# Altium PCB RFSOC_SAWG.PcbDoc (part 6 of 15) (continued)
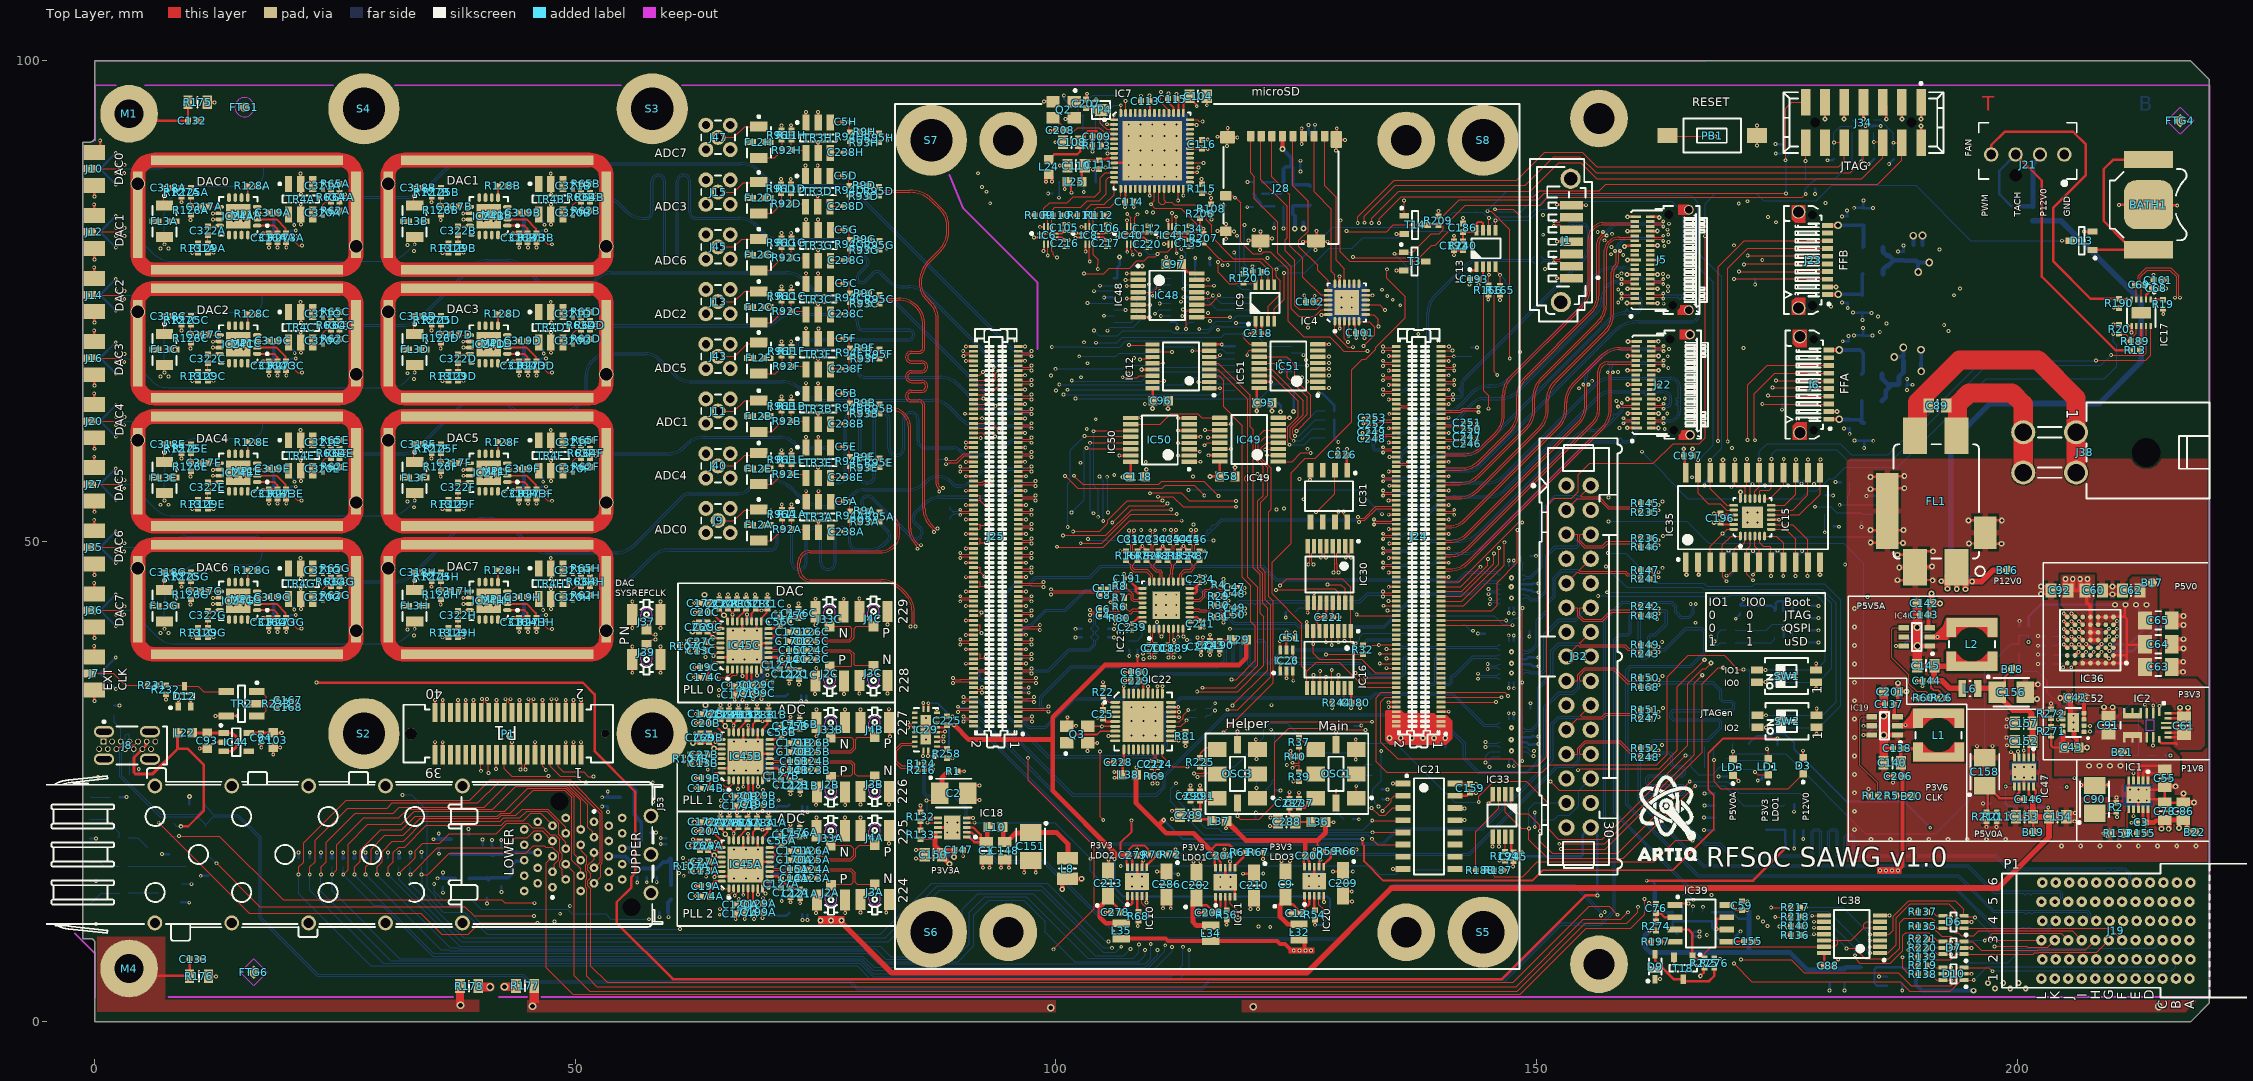
[diagram p0: Top Layer view]
## Nets (pads, with @x,y where several pads share a name; then routed paths per layer and width w, separated by ;. In a path a pad name is that pad's centre, name@x,y a point inside that pad or via, vN(x,y) a via of type N, cw(c..) or ccw(c..) an arc to the next point about the centre after c; other vN are vias at no path point) (continued)
B505_TX2_P: J22.B6 J24.80 | length 40.9
  Top Layer w0.093: v5(134.05,50.259) 134.05,50.312 134.15,50.412 134.96,50.412 135.1,50.272 J24.80@135.415,50.272 ; J22.B6@161.861,64.303 162.161,64.303 162.301,64.163 163.028,64.163 163.182,64.316 v5(163.236,64.316)
  Bottom Layer w0.093: v5(134.05,50.259) 134.104,50.259 134.258,50.412 135.32,50.412 ccw(c135.32,53.17) 137.27,51.22 139.831,53.781 cw(c141.627,51.985) 141.627,54.525 144.919,54.525 ccw(c144.919,57.283) 146.869,55.332 ; 146.869,55.333 156.368,64.832 cw(c157.86,63.34) 157.86,65.45 160.8,65.45 161.151,65.45 cw(c161.151,65.329) 161.273,65.33 161.273,65.308 ccw(c161.394,65.309) 161.396,65.188 ccw(c161.394,65.309) 161.516,65.31 161.516,65.326 cw(c161.637,65.327) 161.636,65.449 cw(c161.637,65.327) 161.759,65.329 161.759,65.313 ccw(c161.88,65.314) 161.882,65.192 ccw(c161.88,65.314) 162.002,65.315 162.002,65.327 cw(c162.123,65.329) 162.123,65.45 162.723,65.45 163.015,65.45 cw(c163.015,64.34) 163.307,65.411 cw(c163.015,64.34) 163.8,65.125 cw(c163.619,64.944) 163.875,64.944 163.875,64.466 cw(c163.534,64.466) 163.775,64.225 cw(c163.624,64.376) 163.624,64.163 163.444,64.163 163.291,64.316 v5(163.236,64.316)
B505_TX3_N: J22.B2 J24.88 | length 47.1
  Top Layer w0.093: v5(133.1,52.277) 133.154,52.277 133.321,52.111 134.938,52.111 135.1,52.272 J24.88@135.415,52.272 ; J22.B2@161.861,62.303 162.161,62.303 162.301,62.443 163.028,62.443 163.182,62.289 v5(163.236,62.289)
  Bottom Layer w0.093: v5(133.1,52.277) 133.154,52.277 133.308,52.124 135.248,52.124 ccw(c135.248,54.664) 137.044,52.867 139.571,55.395 cw(c141.521,53.445) 139.573,55.396 cw(c141.521,53.445) 141.521,56.202 144.8,56.202 ccw(c144.8,58.742) 146.596,56.946 156.002,66.352 cw(c157.735,64.618) 156.003,66.353 cw(c157.735,64.618) 157.735,67.07 163.925,67.07 cw(c163.925,66.005) 164.678,66.758 164.683,66.753 cw(c163.93,66) 164.995,66 164.995,63.575 cw(c163.93,63.575) 164.683,62.822 164.68,62.819 cw(c163.772,63.727) 163.772,62.443 163.444,62.443 163.291,62.289 v5(163.236,62.289)
B505_TX3_P: J22.B3 J24.86 | length 47.1
  Top Layer w0.093: v5(133.1,51.75) 133.183,51.75 133.324,51.891 134.942,51.891 134.957,51.876 135.311,51.876 J24.86@135.415,51.772 ; J22.B3@161.861,62.803 162.161,62.803 162.301,62.663 163.028,62.663 163.182,62.816 v5(163.236,62.816)
  Bottom Layer w0.093: v5(133.1,51.75) 133.154,51.75 133.308,51.904 135.249,51.904 ccw(c135.249,54.661) 137.199,52.711 ; 137.199,52.711 139.726,55.238 cw(c141.522,53.442) 141.522,55.982 144.801,55.982 ccw(c144.801,58.74) 146.751,56.79 156.093,66.132 cw(c157.827,64.398) 156.094,66.133 cw(c157.827,64.398) 157.827,66.85 163.921,66.85 cw(c163.921,65.996) 164.525,66.6 cw(c163.921,65.996) 164.772,66.064 cw(c163.921,65.996) 164.775,65.996 164.775,65.282 164.775,64.992 cw(c164.654,64.992) 164.654,64.871 164.615,64.871 ccw(c164.615,64.749) 164.494,64.749 ccw(c164.615,64.749) 164.615,64.628 164.654,64.628 cw(c164.654,64.506) 164.775,64.506 cw(c164.654,64.506) 164.654,64.385 164.615,64.385 ccw(c164.615,64.263) 164.494,64.263 ccw(c164.615,64.263) 164.615,64.142 164.654,64.142 cw(c164.654,64.02) 164.775,64.02 164.775,63.594 164.775,63.579 cw(c163.921,63.579) 164.525,62.975 cw(c163.771,63.729) 163.771,62.663 163.444,62.663 163.291,62.816 v5(163.236,62.816)
BGA0: D6.3 IC38.4 J19.C3 R217.2 | length 44.1
  Top Layer w0.127: R217.2@177.42,11.925 v1(178.046,11.925) ; v1(184.7,9.1) 185.7,9.1 IC38.4@185.725,9.125 186.725,9.125 187.127,9.527 187.127,11.002 188.725,12.6 193.575,12.6 194.457,11.718 194.457,11.093 194.637,10.914 195.497,10.914 195.564,10.846 v1(195.638,10.846)
  Bottom Layer w0.127: v1(178.046,11.925) 181.875,11.925 v1(184.7,9.1) ; v1(195.638,10.846) 197.128,9.356 197.128,9.197 198.675,7.65 214.288,7.65 J19.C3@215.138,8.5
BGA1: D6.1 IC38.1 J19.F3 R218.2 | length 41.8
  Top Layer w0.127: R218.2@177.42,10.958 v1(178.046,10.958) ; v1(184.7,7.175) IC38.1@185.725,7.175 186.6,7.175 187.45,8.025 187.45,10.825 188.9,12.275 192.875,12.275 193.55,11.6 193.55,10.075 193.875,9.75 D6.1@194.5,9.75 194.525,9.725 194.55,9.75 209.688,9.75 J19.F3@210.938,8.5
  Bottom Layer w0.127: v1(178.046,10.958) 178.613,11.525 180.35,11.525 v1(184.7,7.175)
BGA2: D6.6 IC38.11 J19.I3 R136.2 | length 36.4
  Top Layer w0.127: R136.2@177.42,9.025 v1(178.046,9.025) ; v1@178.925,9.125 IC38.11@179.925,9.125 ; v1(182.278,7.65) 183.1,7.65 184.2,6.55 186.65,6.55 187.775,7.675 187.775,10.3 188.25,10.775 191.15,10.775 191.425,10.5 191.425,10 191.675,9.75 D6.6@192.3,9.75 193.075,9.75 193.543,9.282 193.888,9.282 194.22,8.95 195.5,8.95 196.046,9.496 205.742,9.496 J19.I3@206.738,8.5
  Bottom Layer w0.127: v1(178.046,9.025) 178.701,9.025 178.801,9.125 180.802,9.125 v1(182.278,7.65)
  other v1: 178.875,9.125
BGA3: D7.4 IC38.8 J19.L3 R140.2 | length 32.6
  Top Layer w0.127: R140.2@177.42,9.992 v1(178.046,9.992) ; v1(178.7,11.05) 179.9,11.05 IC38.8@179.925,11.075 ; v1(183.146,6.931) 183.198,6.879 183.198,6.562 183.652,6.107 186.832,6.107 188.125,7.4 188.125,9.025 188.4,9.3 190.839,9.3 191.297,8.843 191.709,8.431 192.219,8.431 192.325,8.325 v1(193.125,8.325) ; v1(197.25,8.475) 197.263,8.488 202.526,8.488 J19.L3@202.538,8.5
  Mid-Layer 6 w0.127: v1(193.125,8.325) 195.65,8.325 195.886,8.089 196.864,8.089 v1(197.25,8.475)
  Bottom Layer w0.127: v1(178.046,9.992) 178.082,10.027 178.082,10.432 v1(178.7,11.05) ; v1@178.75,11.1 179.7,11.1 183.146,7.654 v1(183.146,6.931)
BP_I2C.SCL: D10.3 IC42.8 J19.B2 | length 88
  Top Layer w0.127: v1(171.3,6.475) 176.5,6.475 177.861,5.114 187.636,5.114 189,3.75 193.152,3.75 193.566,4.163 193.566,5.416 193.8,5.65 D10.3@194.5,5.65 197.074,5.65 v1(197.452,5.271)
  Mid-Layer 3 w0.127: v1(149.695,27.651) 150.525,26.821 150.525,25.2 151.875,23.85 151.875,22.15 152.525,21.5 153.65,21.5 154.3,20.85 154.3,12.55 156.4,10.45 158.075,10.45 159.675,8.85 164.4,8.85 167.2,6.05 169.45,6.05 169.875,6.475 v1(171.3,6.475)
  Bottom Layer w0.127: IC42.8@148.528,28.109 149.016,28.109 149.425,27.7 149.7,27.7 149.7,27.656 v1(149.695,27.651) ; v1(197.452,5.271) 197.482,5.301 216.101,5.301 216.5,5.7 216.5,6.362 J19.B2@216.638,6.5
BP_I2C.SDA: D10.1 IC42.7 J19.C2 | length 87.4
  Top Layer w0.127: v1(170.55,6.075) 172.425,4.2 187.85,4.2 188.85,3.2 193.075,3.2 194.225,4.35 D10.1@194.5,4.35 v1(195.5,4.35)
  Mid-Layer 3 w0.127: v1(149.75,28.175) 149.199,28.175 148.975,27.951 148.975,27.45 149.8,26.625 149.8,25.125 151.3,23.625 151.3,20.5 153.25,18.55 153.25,11.95 155.6,9.6 158.1,9.6 161.2,6.5 165.15,6.5 165.997,5.653 170.128,5.653 v1(170.55,6.075)
  Bottom Layer w0.127: IC42.7@148.528,28.609 148.916,28.609 149.375,28.15 149.725,28.15 v1(149.75,28.175) ; v1(195.5,4.35) 196.91,5.76 214.498,5.76 J19.C2@215.238,6.5
BP_IO.LVDS_N0: J19.E3 R235.1 | length 94.2
  Top Layer w0.093: R235.1@161.795,53.025 162.038,53.268 162.038,53.336 162.093,53.39 162.492,53.39 162.646,53.236 v1(162.7,53.236)
  Mid-Layer 3 w0.08: v1(162.7,53.236) 162.653,53.236 162.493,53.396 161.914,53.396 161.696,53.179 161.557,53.039 161.557,52.94 161.564,52.933 161.564,52.834 161.465,52.735 161.366,52.735 161.359,52.742 161.26,52.742 161.034,52.516 158.532,50.014 158.532,25.861 170.343,14.05 180.75,14.05 182.375,12.425 195.25,12.425 200.075,7.6 212.888,7.6 212.935,7.647 212.935,7.903 J19.E3@212.338,8.5
BP_IO.LVDS_N1: J19.B3 R236.1 | length 93.7
  Top Layer w0.093: R236.1@161.795,50.325 162.038,50.081 162.038,50.014 162.093,49.96 162.492,49.96 162.646,50.113 v1(162.7,50.113)
  Mid-Layer 3 w0.08: v1(162.7,50.113) 162.653,50.113 162.493,49.953 160.646,49.953 160.036,49.953 159.312,49.23 159.312,26.488 170.657,15.143 180.832,15.143 182.557,13.418 195.932,13.418 200,9.35 216.95,9.35 217.135,9.165 217.135,8.87 216.764,8.5 J19.B3@216.538,8.5
BP_IO.LVDS_N2: J19.C4 R241.1 | length 86.5
  Top Layer w0.093: R241.1@161.795,46.05 162.038,46.293 162.038,46.361 162.093,46.415 162.492,46.415 162.646,46.261 v1(162.7,46.261)
  Mid-Layer 3 w0.08: v1(162.7,46.261) 162.747,46.261 162.907,46.421 163.729,46.421 164.325,45.825 164.325,45.5 164.325,45.16 164.255,45.09 164.245,45.09 164.175,45.02 164.175,44.88 164.245,44.81 164.255,44.81 164.325,44.74 164.325,44.6 164.255,44.53 164.245,44.53 164.175,44.46 164.175,44.32 164.245,44.25 164.255,44.25 164.325,44.18 164.325,44.14 164.325,42.243 160.7,38.618 160.7,26.9 167.182,20.418 167.664,20.418 171.682,16.4 181.632,16.4 183.507,14.525 196.45,14.525 199.675,11.3 215.675,11.3 215.835,11.14 215.835,10.851 215.483,10.5 J19.C4@215.238,10.5
BP_IO.LVDS_N3: J19.L4 R242.1 | length 87.2
  Top Layer w0.093: R242.1@161.795,43.225 162.038,42.981 162.038,42.914 162.093,42.86 162.492,42.86 162.646,43.013 v1(162.7,43.013)
  Bottom Layer w0.093: v1(162.7,43.013) 162.754,43.013 162.908,42.86 163.462,42.86 163.645,42.677 163.645,41.384 162.416,40.155 162.273,40.155 161.978,40.155 161.793,39.969 161.793,38.112 161.478,37.797 160.924,37.797 160.61,38.112 160.61,42.174 160.424,42.359 160.052,42.359 159.867,42.174 159.867,40.47 159.552,40.155 159.35,40.155 158.73,40.155 158.25,39.675 158.25,21.775 165.944,14.081 193.594,14.081 197.975,9.7 200.225,9.7 200.41,9.7 200.483,9.773 200.483,9.777 200.556,9.85 200.703,9.85 200.776,9.777 200.776,9.773 200.849,9.7 200.996,9.7 201.069,9.773 201.069,9.777 201.142,9.85 201.289,9.85 201.362,9.777 201.362,9.773 201.435,9.7 201.775,9.7 203.174,9.7 203.228,9.754 203.228,10.144 202.872,10.5 J19.L4@202.638,10.5
BP_IO.LVDS_N4: J19.I4 R243.1 | length 86.1
  Top Layer w0.093: R243.1@161.795,38.275 162.038,38.518 162.038,38.586 162.093,38.64 162.492,38.64 162.646,38.486 v1(162.7,38.486)
  Bottom Layer w0.093: v1(162.7,38.486) 162.754,38.486 162.908,38.64 163.426,38.64 165.611,40.825 167.125,40.825 167.425,40.525 167.425,38.525 166,37.1 159.764,37.1 159.312,36.648 159.312,22.577 166.807,15.082 193.832,15.082 197.514,11.4 200.25,11.4 200.728,11.4 200.801,11.327 200.801,11.323 200.874,11.25 201.021,11.25 201.094,11.323 201.094,11.327 201.167,11.4 201.314,11.4 201.387,11.327 201.387,11.323 201.46,11.25 201.607,11.25 201.68,11.323 201.68,11.327 201.753,11.4 201.8,11.4 207.25,11.4 207.428,11.222 207.428,10.856 207.072,10.5 J19.I4@206.838,10.5
BP_IO.LVDS_N5: J19.K5 R168.1 | length 87.7
  Top Layer w0.093: R168.1@161.791,34.835 162.034,35.079 162.034,35.146 162.089,35.2 162.488,35.2 162.641,35.047 v1(162.696,35.047)
  Bottom Layer w0.093: v1(162.696,35.047) 162.75,35.047 162.904,35.2 168.275,35.2 169.05,34.425 169.05,34.225 169.05,33.562 169.365,33.248 170.214,33.248 170.4,33.062 170.4,32.69 170.214,32.505 164.2,32.505 163.885,32.19 163.885,31.636 164.2,31.322 168.864,31.322 169.05,31.136 169.05,31.025 169.05,30.7 167.77,29.42 162.159,29.42 160.612,27.873 160.612,22.852 167.315,16.149 194.815,16.149 197.564,13.4 200.335,13.4 200.628,13.4 200.701,13.327 200.701,13.323 200.774,13.25 200.921,13.25 200.994,13.323 200.994,13.327 201.067,13.4 201.214,13.4 201.287,13.327 201.287,13.323 201.36,13.25 201.507,13.25 201.58,13.323 201.58,13.327 201.653,13.4 201.7,13.4 204.35,13.4 204.528,13.222 204.528,12.856 204.172,12.5 J19.K5@203.938,12.5
BP_IO.LVDS_N6: J19.H5 R247.1 | length 90.8
  Top Layer w0.093: R247.1@161.795,31.525 162.038,31.768 162.038,31.836 162.093,31.89 162.492,31.89 162.646,31.736 v1(162.7,31.736)
  Mid-Layer 3 w0.08: v1(162.7,31.736) 162.747,31.736 162.907,31.896 165.539,31.896 165.725,31.896 166.029,32.2 166.029,34.815 166.212,34.997 166.577,34.997 166.759,34.815 166.759,28.997 167.063,28.693 167.599,28.693 167.903,28.997 167.903,34.815 168.086,34.997 168.451,34.997 168.633,34.815 168.633,28.997 168.937,28.693 169.473,28.693 169.777,28.997 169.777,34.815 169.96,34.997 170.325,34.997 170.507,34.815 170.507,32.2 170.811,31.896 171.575,31.896 172.239,31.896 173.093,32.75 174.825,32.75 176.043,31.532 176.043,24.889 178.979,21.953 178.979,21.153 183.557,16.575 196.457,16.575 199.639,13.393 208.457,13.393 208.735,13.115 208.735,12.851 208.383,12.5 J19.H5@208.138,12.5
BP_IO.LVDS_N7: J19.F6 R248.1 | length 89
  Top Layer w0.093: R248.1@161.795,27.525 162.038,27.768 162.038,27.836 162.093,27.89 162.492,27.89 162.646,27.736 v1(162.7,27.736)
  Bottom Layer w0.093: v1(162.7,27.736) 162.754,27.736 162.908,27.89 163.896,27.89 163.95,27.836 163.95,27.224 163.95,26.759 164.265,26.444 165.114,26.444 165.3,26.259 165.3,25.887 165.114,25.701 161.707,25.701 161.392,25.387 161.392,24.833 161.707,24.518 165.114,24.518 165.3,24.333 165.3,23.961 165.114,23.775 161.744,23.775 161.429,23.461 161.429,22.907 161.744,22.592 163.764,22.592 163.95,22.407 163.95,22.296 163.95,21.959 167.514,18.394 169.019,18.394 170.239,17.175 178.325,17.175 178.527,17.175 178.817,17.465 178.817,19.713 178.977,19.874 179.299,19.874 179.46,19.713 179.46,17.215 179.749,16.925 180.253,16.925 180.543,17.215 180.543,19.713 180.703,19.874 181.025,19.874 181.186,19.713 181.186,17.215 181.475,16.925 181.979,16.925 182.269,17.215 182.269,19.196 182.429,19.356 182.751,19.356 182.912,19.196 182.912,17.465 183.201,17.175 184.775,17.175 197.689,17.175 199.059,15.805 208.925,15.805 209.265,15.805 209.338,15.732 209.338,15.728 209.411,15.655 209.558,15.655 209.631,15.728 209.631,15.732 209.704,15.805 209.851,15.805 209.924,15.732 209.924,15.728 209.997,15.655 210.144,15.655 210.217,15.728 210.217,15.732 210.29,15.805 210.65,15.805 211.195,15.805 211.628,15.372 211.628,14.856 211.272,14.5 J19.F6@211.038,14.5
BP_IO.LVDS_N15: J19.F2
BP_IO.LVDS_P0: J19.D3 R145.1 | length 95.1
  Top Layer w0.093: R145.1@161.795,53.975 162.038,53.731 162.038,53.664 162.093,53.61 162.492,53.61 162.646,53.763 v1(162.7,53.763)
  Mid-Layer 3 w0.08: v1(162.7,53.763) 162.653,53.763 162.493,53.603 161.828,53.603 160.887,52.662 158.325,50.1 158.325,25.775 170.257,13.843 180.664,13.843 182.289,12.218 195.164,12.218 199.989,7.393 212.974,7.393 213.142,7.561 213.142,7.903 J19.D3@213.738,8.5
BP_IO.LVDS_P1: J19.A3 R146.1 | length 93.7
  Top Layer w0.093: R146.1@161.795,49.375 162.038,49.618 162.038,49.686 162.093,49.74 162.492,49.74 162.646,49.586 v1(162.7,49.586)
  Mid-Layer 3 w0.08: v1(162.7,49.586) 162.653,49.586 162.493,49.746 162.275,49.746 161.946,49.746 161.876,49.676 161.876,49.666 161.806,49.596 161.666,49.596 161.596,49.666 161.596,49.676 161.526,49.746 161.386,49.746 161.316,49.676 161.316,49.666 161.246,49.596 161.106,49.596 161.036,49.666 161.036,49.676 160.966,49.746 160.646,49.746 160.121,49.746 159.519,49.144 159.519,26.574 170.743,15.35 180.918,15.35 182.643,13.625 196.018,13.625 200.086,9.557 217.036,9.557 217.342,9.251 217.342,8.822 217.664,8.5 J19.A3@217.938,8.5
BP_IO.LVDS_P2: J19.B4 R147.1 | length 86.6
  Top Layer w0.093: R147.1@161.795,47 162.038,46.756 162.038,46.689 162.093,46.635 162.492,46.635 162.646,46.788 v1(162.7,46.788)
  Mid-Layer 3 w0.08: v1(162.7,46.788) 162.747,46.788 162.907,46.628 163.814,46.628 164.532,45.911 164.532,44.14 164.532,42.157 160.907,38.532 160.907,26.986 167.268,20.625 167.75,20.625 171.768,16.607 181.718,16.607 183.593,14.732 196.536,14.732 199.761,11.507 215.761,11.507 216.042,11.226 216.042,10.851 216.393,10.5 J19.B4@216.638,10.5
BP_IO.LVDS_P3: J19.K4 R148.1 | length 87.3
  Top Layer w0.093: R148.1@161.795,42.275 162.038,42.518 162.038,42.586 162.093,42.64 162.492,42.64 162.646,42.486 v1(162.7,42.486)
  Bottom Layer w0.093: v1(162.7,42.486) 162.754,42.486 162.908,42.64 163.371,42.64 163.425,42.586 163.425,41.475 162.325,40.375 162.273,40.375 161.887,40.375 161.573,40.06 161.573,38.203 161.387,38.017 161.015,38.017 160.83,38.203 160.83,42.265 160.515,42.579 159.961,42.579 159.647,42.265 159.647,40.561 159.461,40.375 159.35,40.375 158.639,40.375 158.03,39.766 158.03,21.684 165.853,13.861 193.503,13.861 197.884,9.48 203.265,9.48 203.448,9.663 203.448,10.144 203.804,10.5 J19.K4@204.038,10.5
BP_IO.LVDS_P4: J19.H4 R149.1 | length 86.2
  Top Layer w0.093: R149.1@161.795,39.225 162.038,38.981 162.038,38.914 162.093,38.86 162.492,38.86 162.646,39.013 v1(162.7,39.013)
  Bottom Layer w0.093: v1(162.7,39.013) 162.754,39.013 162.908,38.86 163.335,38.86 165.52,41.045 167.216,41.045 167.645,40.616 167.645,38.434 166.091,36.88 159.855,36.88 159.532,36.557 159.532,22.668 166.898,15.302 193.923,15.302 197.605,11.62 200.25,11.62 207.341,11.62 207.648,11.313 207.648,10.856 208.004,10.5 J19.H4@208.238,10.5
BP_IO.LVDS_P5: J19.J5 R150.1 | length 87.8
  Top Layer w0.093: R150.1@161.791,35.785 162.034,35.542 162.034,35.475 162.089,35.42 162.488,35.42 162.641,35.574 v1(162.696,35.574)
  Bottom Layer w0.093: v1(162.696,35.574) 162.75,35.574 162.904,35.42 168.366,35.42 169.27,34.516 169.27,34.225 169.27,33.653 169.456,33.468 170.305,33.468 170.62,33.153 170.62,32.599 170.305,32.285 164.291,32.285 164.105,32.099 164.105,31.727 164.291,31.542 168.955,31.542 169.27,31.227 169.27,31.025 169.27,30.609 167.861,29.2 162.25,29.2 160.832,27.782 160.832,22.943 167.406,16.369 194.906,16.369 197.655,13.62 200.335,13.62 204.441,13.62 204.748,13.313 204.748,12.856 205.104,12.5 J19.J5@205.338,12.5
BP_IO.LVDS_P6: J19.G5 R151.1 | length 91.2
  Top Layer w0.093: R151.1@161.795,32.475 162.038,32.231 162.038,32.164 162.093,32.11 162.492,32.11 162.646,32.263 v1(162.7,32.263)
  Mid-Layer 3 w0.08: v1(162.7,32.263) 162.747,32.263 162.907,32.103 165.539,32.103 165.64,32.103 165.822,32.286 165.822,34.901 166.126,35.204 166.662,35.204 166.966,34.901 166.966,29.083 167.149,28.9 167.514,28.9 167.696,29.083 167.696,34.901 168,35.204 168.536,35.204 168.84,34.901 168.84,29.083 169.023,28.9 169.388,28.9 169.57,29.083 169.57,34.901 169.874,35.204 170.41,35.204 170.714,34.901 170.714,32.286 170.897,32.103 171.575,32.103 172.153,32.103 173.007,32.957 174.911,32.957 176.25,31.618 176.25,24.975 179.186,22.039 179.186,21.239 183.643,16.782 196.543,16.782 199.725,13.6 208.543,13.6 208.942,13.201 208.942,12.851 209.293,12.5 J19.G5@209.538,12.5
BP_IO.LVDS_P7: J19.E6 R152.1 | length 89.1
  Top Layer w0.093: R152.1@161.795,28.475 162.038,28.231 162.038,28.164 162.093,28.11 162.492,28.11 162.646,28.263 v1(162.7,28.263)
  Bottom Layer w0.093: v1(162.7,28.263) 162.754,28.263 162.908,28.11 163.987,28.11 164.17,27.927 164.17,27.224 164.17,26.85 164.356,26.664 165.205,26.664 165.52,26.35 165.52,25.796 165.205,25.481 161.798,25.481 161.612,25.296 161.612,24.924 161.798,24.738 165.205,24.738 165.52,24.424 165.52,23.87 165.205,23.555 161.835,23.555 161.649,23.37 161.649,22.998 161.835,22.812 163.855,22.812 164.17,22.498 164.17,22.296 164.17,22.05 167.606,18.614 169.111,18.614 170.33,17.395 178.325,17.395 178.436,17.395 178.597,17.556 178.597,19.804 178.886,20.094 179.39,20.094 179.68,19.804 179.68,17.306 179.84,17.145 180.162,17.145 180.323,17.306 180.323,19.804 180.612,20.094 181.116,20.094 181.406,19.804 181.406,17.306 181.566,17.145 181.888,17.145 182.049,17.306 182.049,19.287 182.338,19.576 182.842,19.576 183.132,19.287 183.132,17.556 183.292,17.395 184.775,17.395 197.78,17.395 199.15,16.025 211.286,16.025 211.848,15.463 211.848,14.856 212.204,14.5 J19.E6@212.438,14.5
BP_IO.LVDS_P15: J19.E2
BP_JTAG.TCK: IC16.3 IC30.10 | length 10.7
  Top Layer w0.093: IC30.10@126.85,43.6 126.875,43.625 v1(126.875,44.6) ; IC16.3@129.375,40.65 129.4,40.625 v1(129.4,39.5)
  Mid-Layer 3 w0.127: v1(126.875,44.6) 126.85,44.575 126.85,39.987 128.231,38.607 129.107,38.607 129.425,38.925 129.425,39.475 v1(129.4,39.5)
BP_JTAG.TDI: IC16.13 IC30.15 | length 15
  Top Layer w0.093: v1(128.7,36.6) 128.7,34.775 IC16.13@128.725,34.75
  Top Layer w0.127: v1(128.275,45.507) 129.643,45.507 130.1,45.05 IC30.15@130.1,43.6
  Mid-Layer 6 w0.127: v1(128.275,45.507) 128.275,41.55 127.55,40.825 127.55,37.75 v1(128.7,36.6)
BP_JTAG.TDO: IC16.10 IC31.2 | length 24.6
  Top Layer w0.093: IC16.10@126.775,34.75 126.8,34.775 v1(126.8,36.1)
  Top Layer w0.127: v1(127.075,53.025) 129,54.95 IC31.2@129,57.365
  Mid-Layer 6 w0.127: v1(126.8,36.1) 126.8,37.575 126.3,38.075 126.3,39.925 126.75,40.375 126.75,43.05 127.89,44.19 127.89,45.107 127.325,45.673 127.325,47.85 127.075,48.1 v1(127.075,53.025)
BP_JTAG.TMS: IC16.6 IC30.11 | length 3.4
  Top Layer w0.093: IC16.6@127.425,40.65 127.246,40.829 127.246,41.454 126.908,41.792 126.908,42.308 127.321,42.721 127.321,43.422 IC30.11@127.5,43.6
BP_JTAG.TRSTn: IC26.1 IC30.14 | length 16.8
  Top Layer w0.093: v1(123.3,37.3) 123.3,36.55 IC26.1@123.35,36.5
  Top Layer w0.127: v1(122.9,44.95) 125.95,44.95 126.09,45.09 129.01,45.09 129.45,44.65 IC30.14@129.45,43.6
  Mid-Layer 6 w0.127: v1(122.9,44.95) 122.55,44.6 122.55,38.05 v1(123.3,37.3)
BRST_N: D9.2 R276.1 T18.3 | length 8.8
  Top Layer w0.254: D9.2@162.35,7.05 162.357,7.043 162.357,6.368 164.3,4.425 T18.3@165.275,4.425 165.275,4.412 165.448,4.239 167.964,4.239 168.5,4.775 R276.1@168.5,5.655
BUF_OUT0: C6.1 IC23.29 R6.1 | length 4.4
  Top Layer w0.093: C6.1@105.298,42.955 105.323,42.955 105.561,42.716 106.636,42.716 106.856,42.936 106.876,42.936 R6.1@107.12,43.18 ; IC23.29@109.025,43.1 108.732,43.1 108.592,42.96 107.981,42.96 107.731,42.71 107.61,42.71 107.383,42.936 107.363,42.936 R6.1@107.12,43.18 ; R6.1@107.12,43.18 R6.1@107.12,43.2 R6.1@107.12,43.18
BUF_OUT0_P: C4.1 IC23.30 R80.1 | length 4.4
  Top Layer w0.093: C4.1@105.298,42.255 105.323,42.255 105.476,42.409 105.476,42.434 105.539,42.496 106.623,42.496 106.856,42.263 106.876,42.263 R80.1@107.12,42.02 ; IC23.30@109.025,42.6 108.732,42.6 108.592,42.74 108.072,42.74 107.822,42.49 107.61,42.49 107.383,42.263 107.363,42.263 R80.1@107.12,42.02 ; R80.1@107.12,42.02 R80.1@107.12,42 R80.1@107.12,42.02
BUF_OUT1_N: C11.1 IC23.27 R8.1 | length 5
  Top Layer w0.093: C11.1@105.304,45.11 105.329,45.11 105.482,44.956 105.482,44.924 105.537,44.87 105.815,44.87 105.818,44.867 106.656,44.867 107.12,45.33 R8.1@107.12,45.35 ; R8.1@107.12,45.345 107.61,44.855 107.701,44.855 108.05,44.506 108.05,44.025 108.115,43.96 108.592,43.96 108.732,44.1 IC23.27@109.025,44.1
BUF_OUT1_P: C8.1 IC23.28 R7.1 | length 4.5
  Top Layer w0.093: C8.1@105.304,44.41 105.329,44.41 105.482,44.563 105.482,44.595 105.537,44.65 105.724,44.65 105.727,44.647 106.618,44.647 R7.1@106.856,44.409 ; R7.1@107.12,44.125 107.12,44.145 107.363,44.388 107.383,44.388 107.556,44.561 107.634,44.561 107.83,44.365 107.83,43.934 108.024,43.74 108.592,43.74 108.732,43.6 IC23.28@109.025,43.6
BUF_OUT2_N: C32.1 IC23.23 R47.1 | length 5.5
  Top Layer w0.093: C32.1@108.2,49.85 108.2,49.825 108.003,49.629 108.003,48.507 R47.1@108.217,48.294 ; R47.1@108.217,47.767 107.983,47.533 107.983,47.256 108.17,47.07 108.725,47.07 ; 108.725,47.07 109.493,47.07 110.085,46.478 110.085,46.233 110.225,46.093 IC23.23@110.225,45.8
BUF_OUT2_P: C31.1 IC23.24 R16.1 | length 5.5
  Top Layer w0.093: C31.1@107.525,49.85 107.525,49.825 107.783,49.566 107.783,48.533 R16.1@107.543,48.294 ; R16.1@107.543,47.767 107.763,47.547 107.763,47.165 108.079,46.85 108.816,46.85 ; 108.816,46.85 109.402,46.85 109.865,46.387 109.865,46.233 109.725,46.093 IC23.24@109.725,45.8
BUF_OUT3_N: C34.1 IC23.21 R48.1 | length 4.5
  Top Layer w0.093: R48.1@110.367,47.767 110.133,47.533 110.133,47.405 110.488,47.05 110.841,47.05 111.085,46.806 111.085,46.233 111.225,46.093 IC23.21@111.225,45.8 ; R48.1@110.367,48.294 110.153,48.507 110.153,49.553 110.425,49.825 C34.1@110.425,49.85
BUF_OUT3_P: C33.1 IC23.22 R82.1 | length 4.5
  Top Layer w0.093: R82.1@109.693,47.767 109.913,47.547 109.913,47.313 110.397,46.83 110.75,46.83 110.865,46.715 110.865,46.233 110.725,46.093 IC23.22@110.725,45.8 ; R82.1@109.693,48.294 109.933,48.533 109.933,49.617 109.725,49.825 C33.1@109.725,49.85
BUF_OUT4_N: C44.1 IC23.19 R85.1 | length 4
  Top Layer w0.093: IC23.19@112.225,45.8 112.225,46.093 112.085,46.233 112.085,46.439 112.145,46.499 112.145,47.05 112.283,47.188 112.283,47.533 R85.1@112.517,47.767 ; R85.1@112.517,48.294 112.317,48.493 112.317,49.542 112.6,49.825 C44.1@112.6,49.85
BUF_OUT4_P: C35.1 IC23.20 R21.1 | length 4
  Top Layer w0.093: IC23.20@111.725,45.8 111.725,46.093 111.865,46.233 111.865,46.53 111.925,46.59 111.925,47.141 112.063,47.28 112.063,47.547 R21.1@111.843,47.767 ; R21.1@111.843,48.294 112.097,48.547 112.097,49.603 111.875,49.825 C35.1@111.875,49.85
BUF_OUT5_N: C46.1 IC23.17 R87.1 | length 4.8
  Top Layer w0.093: IC23.17@113.225,45.8 113.225,46.093 113.085,46.233 113.085,46.5 113.435,46.85 114.061,46.85 114.408,47.197 114.408,47.533 R87.1@114.641,47.767 ; R87.1@114.641,48.294 114.428,48.507 114.428,49.423 114.423,49.429 114.423,49.573 114.675,49.825 C46.1@114.675,49.85
BUF_OUT5_P: C45.1 IC23.18 R24.1 | length 4.8
  Top Layer w0.093: IC23.18@112.725,45.8 112.725,46.093 112.865,46.233 112.865,46.591 113.344,47.07 113.97,47.07 114.188,47.288 114.188,47.547 R24.1@113.968,47.767 ; C45.1@113.95,49.85 113.95,49.825 114.203,49.572 114.203,49.338 114.208,49.332 114.208,48.533 R24.1@113.968,48.294
BUF_OUT6_N: C48.1 IC23.13 R29.1 | length 4.9
  Top Layer w0.093: IC23.13@113.925,43.6 114.218,43.6 114.358,43.74 115.026,43.74 115.495,44.209 115.495,44.7 115.612,44.817 115.983,44.817 R29.1@116.217,44.583 ; R29.1@116.744,44.583 116.957,44.797 117.984,44.797 118.233,44.548 C48.1@118.258,44.548
BUF_OUT6_P: C47.1 IC23.14 R4.1 | length 4.9
  Top Layer w0.093: IC23.14@113.925,44.1 114.218,44.1 114.358,43.96 114.935,43.96 115.275,44.3 115.275,44.791 115.52,45.037 115.997,45.037 R4.1@116.217,45.257 ; R4.1@116.744,45.257 116.983,45.017 118.001,45.017 118.233,45.248 C47.1@118.258,45.248
BUF_OUT7_N: C50.1 IC23.11 R31.1 | length 4.2
  Top Layer w0.093: IC23.11@113.925,42.6 114.218,42.6 114.358,42.74 114.813,42.74 114.886,42.667 115.983,42.667 R31.1@116.217,42.434 ; R31.1@116.744,42.434 116.95,42.64 117.759,42.64 117.766,42.632 118.042,42.632 118.097,42.578 118.097,42.533 118.25,42.38 C50.1@118.275,42.38
BUF_OUT7_P: C49.1 IC23.12 R30.1 | length 4.2
  Top Layer w0.093: IC23.12@113.925,43.1 114.218,43.1 114.358,42.96 114.904,42.96 114.977,42.887 115.997,42.887 R30.1@116.217,43.107 ; R30.1@116.744,43.107 116.99,42.86 117.85,42.86 117.858,42.852 118.042,42.852 118.097,42.907 118.097,42.951 118.25,43.105 C49.1@118.275,43.105
CEA: IC12.3 IC45A.4 | length 102.5
  Top Layer w0.127: v1(67.473,13.221) 67.475,13.223 IC45A.4@67.475,13.894 IC45A.4@67.477,13.895 ; IC12.3@115.95,67.225 116.975,67.225 117.467,66.733 117.467,63.987 119.415,62.039 119.415,46.264 120.277,45.402 120.277,41.648 120.75,41.175 120.75,37.625 118.74,35.615 v1(118.275,35.615)
  Mid-Layer 3 w0.127: v1(67.473,13.221) 67.771,13.221 68.55,14 70.374,14 70.688,14.315 80.39,14.315 80.658,14.583 84.5,18.425 97.75,18.425 102.125,22.8 114.875,22.8 115.55,23.475 115.55,34.125 117.04,35.615 v1(118.275,35.615)
CEB: IC12.4 IC45B.4 | length 100.3
  Top Layer w0.127: v1(67.474,24.463) IC45B.4@67.475,25.135 ; v1(115.25,34.766) 118.641,34.766 121.004,37.129 121.004,45.213 119.975,46.242 119.975,56.057 119.669,56.363 119.669,56.687 119.98,56.998 119.98,64.785 116.891,67.875 IC12.4@115.95,67.875
  Mid-Layer 3 w0.127: v1@67.475,24.462 68.112,24.462 69.205,25.555 74.911,25.555 74.957,25.509 76.791,23.675 86.725,23.675 87.8,22.6 97.825,22.6 99.634,24.41 112.935,24.41 113.425,24.9 113.425,25.5 114.875,26.95 114.875,33.625 115.25,34 v1(115.25,34.766)